# Altium PCB YellowBeanSprout_Pcb.PcbDoc
Units mil, origin at the board's own origin, x right, y up, seen from the top; angles counter-clockwise.
Board outline 1000 x 1700 mil, 2 copper layers (Top Layer, Bottom Layer); 48 components, 63 nets, 230 pads, 56 vias.
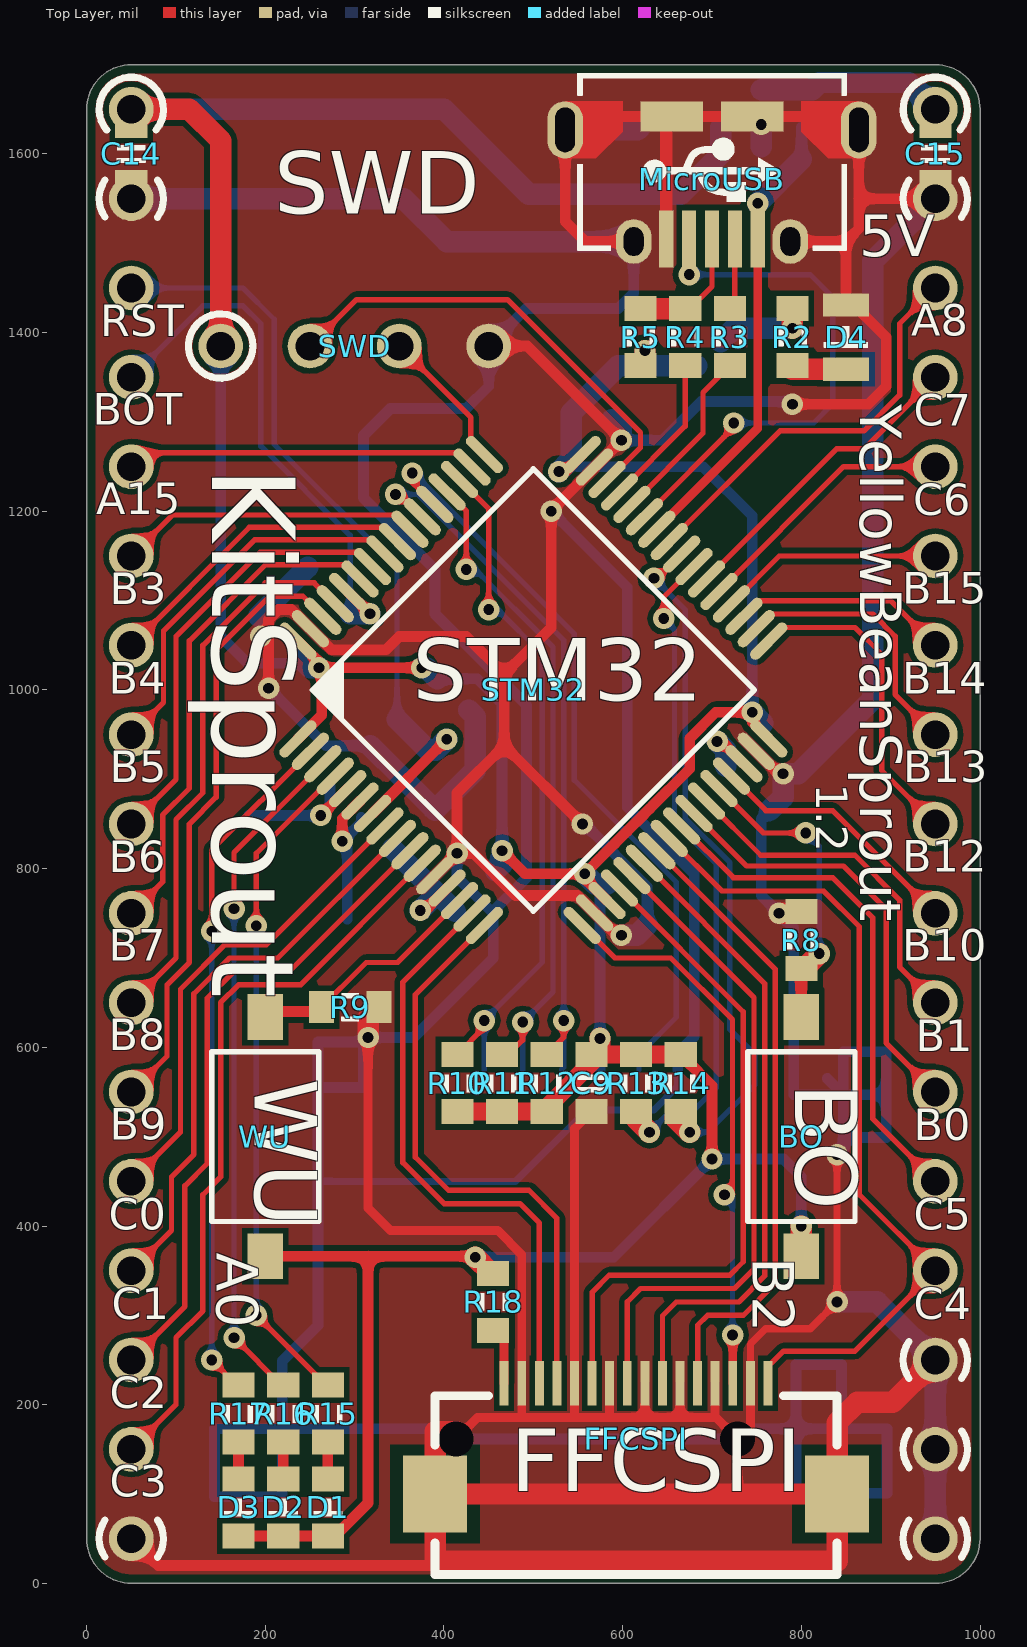
[diagram p0: Top Layer view]
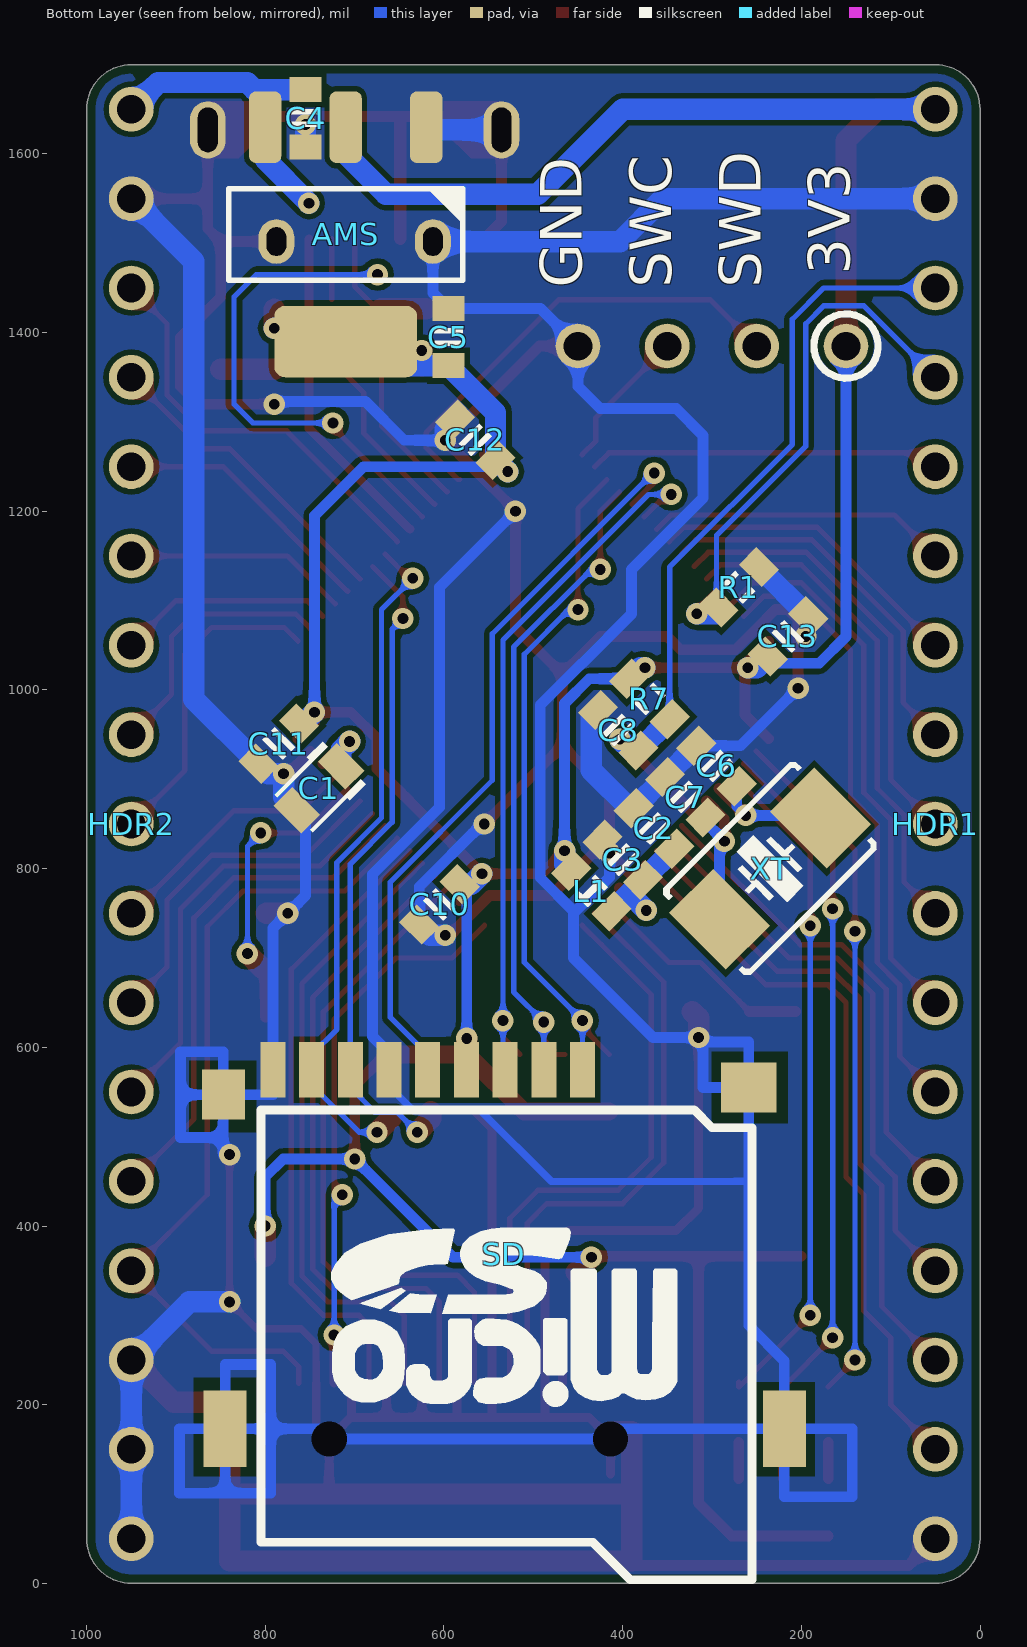
[diagram p1: Bottom Layer view, seen from below]
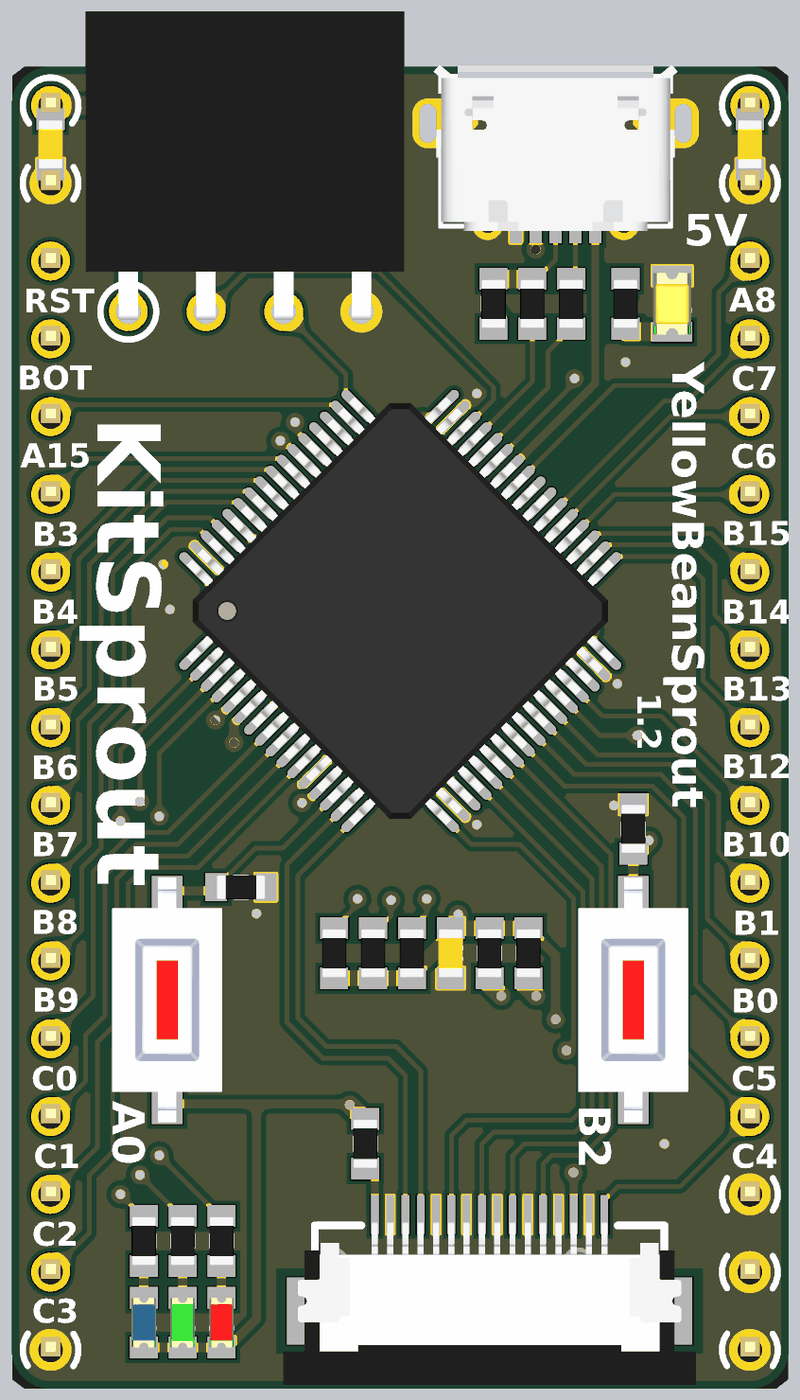
[diagram p2: 3D render of the assembled board from above, using the file's embedded part models]
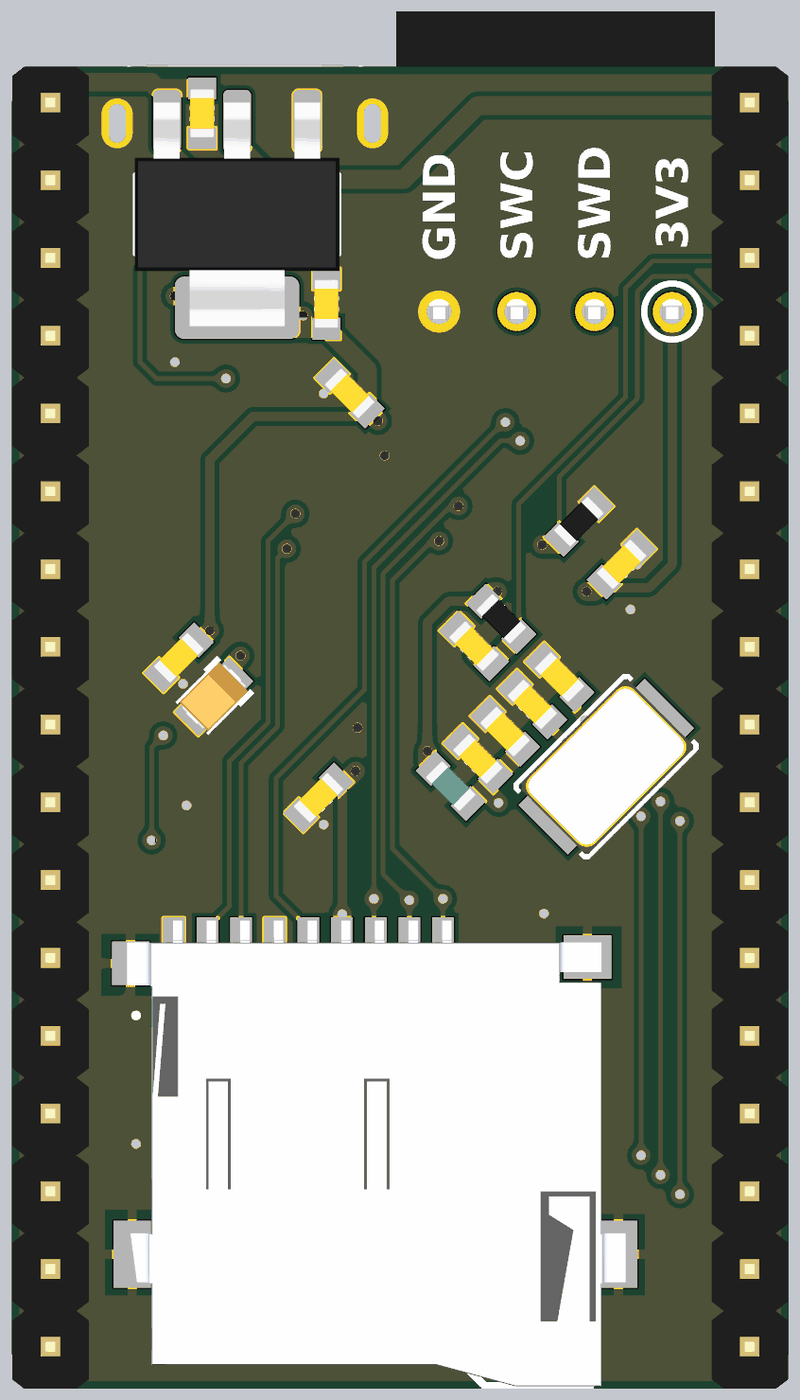
[diagram p3: 3D render of the assembled board from below, using the file's embedded part models]

## Layer stack, top to bottom
Top Solder: solder mask 0.4, Solder Resist, Dk 3.5
Top Layer: signal copper 1.4
Dielectric 1: dielectric 12.6, FR-4, Dk 4.8
Bottom Layer: signal copper 1.4
Bottom Solder: solder mask 0.4, Solder Resist, Dk 3.5

## Board outline
0,50 0,1650 cw(c50,1650) 50,1700 950,1700 cw(c950,1650) 1000,1650 1000,50 cw(c950,50) 950,0 50,0 cw(c50,50)

## Design rules (kind name [scope] priority, off if disabled: settings)
Clearance ClearancePolygon [InPolygon] p1: gap=6
Clearance [All] p2: gap=6
ComponentClearance [All] p1: gap=0 collisioncheckmode=3 verticalgap=0 showdistances=FALSE
Height [All] p1: minheight=0 maxheight=5000 prefheight=500
HoleSize [All] p1: absolutevalues=TRUE maxlimit=200 minlimit=1 maxpercent=80.000 minpercent=20.000
HoleToHoleClearance [All] p1: gap=6 allowstackedmicrovias=TRUE
MinimumSolderMaskSliver [All] p1: minsoldermaskwidth=4
PolygonConnect [All] p1: connectstyle=Direct reliefconductorwidth=10 reliefentries=4 polygonreliefangle="90 Angle" airgapwidth=10
RoutingVias [All] p1: holewidth=12 width=24 viastyle="Through Hole" minholewidth=12 minwidth=20 maxholewidth=28 maxwidth=50
SilkToSilkClearance [All] p1: silktosilkclearance=0
SilkToSolderMaskClearance [IsPad] p1: minsilkscreentomaskgap=2 clearancetoexposedcopper=TRUE
SolderMaskExpansion [All] p1: expansion=2
Width [All] p1: maxlimit=50 minlimit=6 preferedwidth=10
23 further rules are at their usual default settings.

## Components (designator, comment, footprint, x,y, rotation, side; value= is the part's Value field where it differs from the comment)
AMS "AMS1117" SOT223-3 710,1510 r0 bottom
BO "ButtonTACT_3x6x2.5_180" ButtonTACT_3x6x2.5_180 800,500 r270 top locked
C1 "Cap_Tan_0805" CAP_TAN_P0805 740,890 r315 bottom
C2 "Cap_0603" CAP_0603 365,845 r225 bottom
C3 "Cap_0603" CAP_0603 400,810 r225 bottom
C4 "Cap_0603" CAP_0603 755,1640 r270 bottom
C5 "Cap_0603" CAP_0603 595,1395 r90 bottom
C6 "Cap_0603" CAP_0603 295,915 r45 bottom
C7 "Cap_0603" CAP_0603 330,880 r45 bottom
C8 "Cap_0603" CAP_0603 405,955 r225 bottom
C9 "Cap_0603" CAP_0603 565,560 r270 top
C10 "Cap_0603" CAP_0603 605,760 r135 bottom
C11 "Cap_0603" CAP_0603 785,940 r135 bottom
C12 "Cap_0603" CAP_0603 565,1280 r225 bottom
C13 "Cap_0603" CAP_0603 215,1060 r315 bottom
C14 "Cap_0603" CAP_0603 50,1600 r270 top
C15 "Cap_0603" CAP_0603 950,1600 r270 top
D1 "LED_0603" LED_0603_RED 270,85 r90 top
D2 "LED_0603" LED_0603_GREEN 220,85 r90 top
D3 "LED_0603" LED_0603_BLUE 170,85 r90 top
D4 "LED_0805" LED_0805_YELLOW 850,1395 r90 top
FFCSPI "FFC_0.5_16" FFC_0.5_16 615,160 r0 top locked
HDR1 "HDR1x17_2.54" HDR1X17_2.54_180 50,1650 r180 bottom
HDR2 "HDR1x17_2.54T" HDR1X17_2.54_180 950,1650 r180 bottom
L1 "Ind_0603" IND_0603 435,775 r225 bottom
MicroUSB "USB_Micro" USB_Micro-AB 700,1630 r0 top
R1 "Res_0603" RES_0603 270,1115 r315 bottom
R2 "Res_0603" RES_0603 790,1395 r90 top
R3 "Res_0603" RES_0603 720,1395 r90 top
R4 "Res_0603" RES_0603 670,1395 r90 top
R5 "Res_0603" RES_0603 620,1395 r90 top
R7 "Res_0603" RES_0603 370,990 r45 bottom
R8 "Res_0603" RES_0603 800,720 r270 top
R9 "Res_0603" RES_0603 295,645 r180 top
R10 "Res_0603" RES_0603 415,560 r270 top
R11 "Res_0603" RES_0603 465,560 r270 top
R12 "Res_0603" RES_0603 515,560 r270 top
R13 "Res_0603" RES_0603 615,560 r90 top
R14 "Res_0603" RES_0603 665,560 r90 top
R15 "Res_0603" RES_0603 270,190 r270 top
R16 "Res_0603" RES_0603 220,190 r270 top
R17 "Res_0603" RES_0603 170,190 r270 top
R18 "Res_0603" RES_0603 455,315 r90 top
SD "SD_Card_TF" SD_Card_TF 445,575 r0 bottom locked
STM32 "STM32F446R" LQFP_P0.5_64 500,1000 r45 top locked
SWD "HDR1x4_2.54" HDR1X4_2.54_90F 150,1385 r90 top
WU "ButtonTACT_3x6x2.5_180" ButtonTACT_3x6x2.5_180 200,500 r270 top locked
XT "XTAL_5032_2P" XT_5032_2 235,800 r135 bottom

## Footprints (in the part's own frame and the unit in brackets; to place one, negate y for a bottom-side part, rotate by r counter-clockwise, add the part's x,y. Pads: shape width x height; smd on the part's side, far side on the other; paste and mask are expansions set on the pad)
ButtonTACT_3x6x2.5_180 [mm]
  rect 1.3x1 smd: 1(-3.4,0) 2(3.4,0)
  silkscreen extent -2.41,-1.52 2.41,1.52, body extent -4,-1.8 4,1.8, height 2.4
CAP_0603 [mil]
  rect 28x36 smd: 1(-32,0) 2(32,0)
  silkscreen extent -9,-16 10,16, body extent -31,-16 31,16, height 36
CAP_TAN_P0805 [mil]
  rect 30x44 smd: 1(-35,0) 2(35,0)
  silkscreen extent -40,-34 40,34, body extent -40,-27 40,27, height 59
FFC_0.5_16 [mil]
  rect 72x86 smd: 0(-225,-60) 0(225,-60)
  rect 10x50 smd: 1(-147.64,64) 2(-127.95,64) 3(-108.27,64) 4(-88.58,64) 5(-68.9,64) 6(-49.21,64) 7(-29.53,64) 8(-9.84,64) 9(9.84,64) 10(29.53,64) 11(49.21,64) 12(68.9,64) 13(88.58,64) 14(108.27,64) 15(127.95,64) 16(147.64,64)
  silkscreen extent -225,-150 225,50, body extent -266,-155 266,55, height 82
HDR1X4_2.54_90F [mil]
  round 50 hole 32: 1(0,0) 2(0,-100) 3(0,-200) 4(0,-300)
  body extent -10,-355 386,55, height 99
HDR1X17_2.54_180 [mil]
  round 50 hole 32: 1(0,0) 2(0,-100) 3(0,-200) 4(0,-300) 5(0,-400) 6(0,-500) 7(0,-600) 8(0,-700) 9(0,-800) 10(0,-900) 11(0,-1000) 12(0,-1100) 13(0,-1200) 14(0,-1300) 15(0,-1400) 16(0,-1500) 17(0,-1600)
  body extent -49,-1650 49,50, height 323
IND_0603 [mil]
  rect 28x36 smd: 1(-32,0) 2(32,0)
  silkscreen extent -9,-16 9,16, body extent -31,-16 32,16, height 37
LED_0603_BLUE [mil]
  rect 28x36 smd: 1(-32,0) 2(32,0)
  silkscreen extent -10,-16 10,16, body extent -32,-16 32,16, height 24
LED_0603_GREEN [mil]
  rect 28x36 smd: 1(-32,0) 2(32,0)
  silkscreen extent -9,-16 10,16, body extent -32,-16 32,16, height 24
LED_0603_RED [mil]
  rect 28x36 smd: 1(-32,0) 2(32,0)
  silkscreen extent -9,-16 10,16, body extent -32,-16 32,16, height 24
LED_0805_YELLOW [mil]
  rect 26x52 smd: 1(-36,0) 2(36,0)
  silkscreen extent -12,-24 12,24, body extent -40,-25 40,25, height 43
LQFP_P0.5_64 [mil]
  oval 54x12 smd: 1(-225,147.64) 2(-225,127.95) 3(-225,108.27) 4(-225,88.58) 5(-225,68.9) 6(-225,49.21) 7(-225,29.53) 8(-225,9.84) 9(-225,-9.84) 10(-225,-29.53) 11(-225,-49.21) 12(-225,-68.9) 13(-225,-88.58) 14(-225,-108.27) 15(-225,-127.95) 16(-225,-147.64) 33(225,-147.64) 34(225,-127.95) 35(225,-108.27) 36(225,-88.58) 37(225,-68.9) 38(225,-49.21) 39(225,-29.53) 40(225,-9.84) 41(225,9.84) 42(225,29.53) 43(225,49.21) 44(225,68.9) 45(225,88.58) 46(225,108.27) 47(225,127.95) 48(225,147.64)
  oval 12x54 smd: 17(-147.64,-225) 18(-127.95,-225) 19(-108.27,-225) 20(-88.58,-225) 21(-68.9,-225) 22(-49.21,-225) 23(-29.53,-225) 24(-9.84,-225) 25(9.84,-225) 26(29.53,-225) 27(49.21,-225) 28(68.9,-225) 29(88.58,-225) 30(108.27,-225) 31(127.95,-225) 32(147.64,-225) 49(147.64,225) 50(127.95,225) 51(108.27,225) 52(88.58,225) 53(68.9,225) 54(49.21,225) 55(29.53,225) 56(9.84,225) 57(-9.84,225) 58(-29.53,225) 59(-49.21,225) 60(-68.9,225) 61(-88.58,225) 62(-108.27,225) 63(-127.95,225) 64(-147.64,225)
  silkscreen extent -175,-175 175,175, body extent -236,-236 236,236, height 59
RES_0603 [mil]
  rect 28x36 smd: 1(-32,0) 2(32,0)
  silkscreen extent -10,-16 10,16, body extent -31,-16 32,16, height 20
SD_Card_TF [mil]
  rect 28x62 smd: 1(0,0) 2(43.31,0) 3(86.61,0) 4(129.92,0) 5(173.23,0) 6(216.54,0) 7(259.84,0) 8(303.15,0) 9(346.46,0)
  rect 48x86 smd: 6(-226,402) 6(400,402)
  rect 62x56 smd: 6(-186,20)
  round 30 hole 39.37 mask+0: 6(-31.5,413.39) 6(283.46,413.39)
  rect 48x56 smd: 6(402,28)
  silkscreen extent -190,45 360,571, body extent -235,-27 407,572, height 79
SOT223-3 [mil]
  rrect40% 36x80 smd: 1(-90.16,-120) 2(0,-120) 3(90.16,-120)
  rrect30% 160x80 smd: 4(0,120)
  silkscreen extent -131,-51 131,51, body extent -132,-144 132,144, height 71
USB_Micro-AB [mil]
  rect 15.75x64 smd: 1(51.18,-125) 2(25.59,-125) 3(0,-125) 4(-25.59,-125) 5(-51.18,-125)
  oval 40x64 hole 22 slot 50 at 90 deg mask+0: 5(-164.37,-3) 5(164.37,-3)
  oval 40x50 hole 22 slot 32 at 90 deg mask+0: 5(-87.6,-128) 5(87.6,-128)
  rect 70x34 smd mask+0: 5(-45,12) 5(45,12)
  Top Layer region: 100,29 164.37,29 164.37,-35 130,-35 100,-5
  Top Layer region: -164.37,29 -100,29 -100,-5 -130,-35 -164.37,-35
  silkscreen extent -151,-138 151,61, body extent -157,-141 157,72, height 107
XT_5032_2 [mil]
  rect 70x90 smd: 1(-80,0) 2(80,0)
  silkscreen extent -105,-68 105,68, body extent -98,-63 98,63, height 39

## Part data
AMS: "Power"
BO WU: "Button"
C1 C2 C3 C4 C5 C6 C7 C8 C9 C10 C11 C12 C13 C14 C15: "Capacitor"
D1 D2 D3 D4: "LED"
FFCSPI: "FFC"
HDR1 HDR2 SWD: "Header"
L1: "Inductor"
MicroUSB: "USB"
R1 R2 R3 R4 R5 R7 R8 R9 R10 R11 R12 R13 R14 R15 R16 R17 R18: "Resistor"
SD: "SD"
STM32: "MCU"
XT: "Crystal Oscillator"

## Via types
v1: diameter 24, hole 12, Top Layer to Bottom Layer, 56 vias

## Nets (pads, with @x,y where several pads share a name; then routed paths per layer and width w, separated by ;. In a path a pad name is that pad's centre, name@x,y a point inside that pad or via, vN(x,y) a via of type N, cw(c..) or ccw(c..) an arc to the next point about the centre after c; other vN are vias at no path point)
3V3: AMS.2 AMS.4 BO.2 C5.1 C9.1 C10.2 C11.2 C12.2 C13.2 C14.1 D1.1 D2.1 D3.1 HDR1.1 L1.1 R2.2 R5.1 R7.2 R10.2 R11.2 R12.2 R13.2 R14.2 R18.2 SD.4 STM32.1 STM32.19 STM32.32 STM32.48 STM32.64 SWD.1 WU.2 | length 5323
  Top Layer w12: D3.1 D2.1 D1.1 278,53 315,90 315,366.14 ; WU.2 315,366.14 ; STM32.1 263.1,971.9 263.1,1028.1 STM32.64 ; v1(260,1025) v1(375,1025) ; R18.2 435.86,366.14 315,366.14 ; v1(465,820) 490.66,794.34 552.54,794.34 555.04,791.84 STM32.19 ; v1(528.7,1244.49) 535.7,1244.49 STM32.48 ; v1(557.54,794.34) 563.61,800.41 563.61,800.57 574.16,811.11 574.31,811.11 577.53,814.33 577.53,814.49 588.08,825.03 588.23,825.03 591.45,828.25 591.45,828.41 602,838.95 602.15,838.95 605.37,842.17 605.37,842.33 615.91,852.87 616.07,852.87 619.29,856.09 619.29,856.25 629.83,866.79 629.99,866.79 633.21,870.01 633.21,870.17 643.75,880.71 643.91,880.71 647.13,883.93 647.13,884.09 657.67,894.63 657.83,894.63 661.05,897.85 661.05,898 671.59,908.55 671.75,908.55 674.97,911.77 674.97,911.92 ; R14.2 700,557 v1(700,475) ; 675,911.96 675,945.74 704.26,975 v1(745,975) 745,963.79 STM32.32
  Top Layer w20: R10.2 510.17,528 574.17,592 574.62,592 R13.2 R14.2
  Top Layer w24: HDR1.1 115,1650 150,1615 SWD.1 ; v1(435,365) R18.2@452,348 ; C9.1@574.62,592 v1(574.62,610) ; R5.1@625,1363 v1(625,1380) ; v1(790,1405) R2.2@790,1426.21 ; BO.2 v1(800,400)
  Bottom Layer w12: SWD.1 150,1060 180,1030 230.25,1030 C13.2 ; R7.2 437.37,1012.63 465,985 v1(465,820) 457.63,812.63 L1.1 ; v1(435,365) 590,365 v1(700,475) 780,475 800,455 v1(800,400) ; C12.2 549.75,1250 690,1250 745,1195 v1(745,975) ; C10.2@574.62,774.88 574.62,575.3 SD.4
  Bottom Layer w24: HDR1.1 400,1650 495,1555 665,1555 710,1600 AMS.2 ; C13.2 250,1025 v1(260,1025) ; v1(375,1025) 380.25,1025 R7.2 ; L1.1 465,805 v1(465,820) ; v1(528.7,1244.49) C12.2@541.37,1257.16 ; C12.2@542.37,1256.16 C12.2 542.37,1310.37 C5.1 AMS.4@683,1363 ; v1(557.54,794.34) 569.26,782.63 C10.2 ; AMS.4 725,1405 v1(790,1405) ; v1(745,975) C11.2@757.06,962.94
BO: BO.1 R8.2 STM32.28 | length 340.1
  Top Layer w6: STM32.28 757.44,840 v1(805,840)
  Top Layer w12: BO.1 R8.2
  Top Layer w24: R8.2 803,688 v1(820,705)
  Bottom Layer w6: v1(805,840) 820,825 v1(820,705)
BOOT: HDR1.4 R1.2 STM32.60 | length 610
  Top Layer w12: STM32.60 v1(317.18,1085.38)
  Bottom Layer w6: HDR1.4 130,1430 175,1430 195,1410 195,1273.03 295,1173.03 R1.2@295,1085.38
  Bottom Layer w24: R1.2@295,1085.38 v1(317.18,1085.38)
CLK: SD.5 STM32.53 | length 851
  Top Layer w6: v1(364.62,1242.82) 364.62,1232.82 STM32.53
  Bottom Layer w6: v1@366.93,1241.93 546,1062.86 546,899 660,785 660,633.54 618.23,591.77 SD.5
CMD: R12.1 SD.3 STM32.54 | length 824
  Top Layer w6: v1(345.7,1218.9) 350.7,1218.9 STM32.54 ; R12.1 534,611 v1(534,630)
  Bottom Layer w6: v1(345.7,1218.9) 371.1,1218.9 534,1056 v1(534,630) 534,577.39 SD.3
D0: R13.1 SD.7 STM32.39 | length 746.5
  Top Layer w6: v1(646,1080) 646,1104.24 STM32.39
  Top Layer w24: R13.1 615,520 v1(630,505)
  Bottom Layer w6: v1(630,505) 652.5,527.5 677.5,527.5 704.84,554.84 SD.7 704.84,805.16 658,852 658,1068 v1(646,1080)
D1: R14.1 SD.8 STM32.40 | length 769.4
  Top Layer w6: v1@640,1125 640,1126.08 STM32.40
  Top Layer w24: R14.1@659,521 v1(675,505)
  Bottom Layer w6: v1(635,1125) 670,1090 670,856.97 720,806.97 720,620 748.15,591.85 SD.8 748.15,558.15 695,505 v1(675,505)
D2: R10.1 SD.1 STM32.51 | length 779.3
  Top Layer w6: R10.1 445,622 v1(445,630) ; STM32.51 450,1203.11 v1@450,1100
  Bottom Layer w6: SD.1 v1(445,630) 510,695 510,1040 460,1090 v1(450,1090) v1@445,1095
D3: R11.1 SD.2 STM32.52 | length 763.6
  Top Layer w6: STM32.52 425,1200.27 v1(425,1135) ; R11.1 R11.1@477,592 ; R11.1@477,597 488,608 488,628 v1(488.31,628.31)
  Bottom Layer w6: v1(425,1135) 435,1135 522,1048 522,662 v1(488.31,628.31) SD.2
DM: R3.1 STM32.44 | length 200.6
  Top Layer w6: STM32.44 690,1287.44 690,1333 R3.1
DP: R4.1 STM32.45 | length 171.7
  Top Layer w6: STM32.45 670,1295.28 R4.1
GND: AMS.1 C1.2 C2.1 C3.1 C4.2 C5.2 C6.2 C7.2 C8.1 C9.2 C10.1 C11.1 C12.1 C13.1 C14.2 C15.2 D4.2 FFCSPI.0 FFCSPI.2 FFCSPI.5 FFCSPI.7 FFCSPI.9 FFCSPI.11 FFCSPI.13 FFCSPI.15 HDR1.2 HDR1.17 HDR2.2 HDR2.15 HDR2.16 HDR2.17 MicroUSB.5 R1.1 R8.1 R9.1 SD.6 SD.9 STM32.12 STM32.18 STM32.31 STM32.47 STM32.63 SWD.4 | length 14823.1
  Top Layer w8: FFCSPI.15@742.95,248.26 FFCSPI.15 743.27,224.31 743.27,268.27 760,285 810,285 v1(840,315) v1(840,480)
  Top Layer w10: v1(315,611) 315,420 340,395 460,395 487.05,367.95 FFCSPI.2 487.05,187.83 ; FFCSPI.0@413.5,122.43 413.5,161.61 437.68,185.79 624.84,185.79 ; 546.1,186.89 FFCSPI.5 546.1,509.1 C9.2 ; 585.47,186.26 FFCSPI.7 ; FFCSPI.9 624.84,185.79 ; FFCSPI.11 664.21,185.79 ; 702.87,185.79 664.21,185.79 ; FFCSPI.13 703.58,186.5 728.46,161.61 728.46,100 FFCSPI.0@840,100 ; 742.95,176.1 FFCSPI.15 ; R8.1 R8.1@805.53,752 ; 624.84,185.79 664.21,185.79
  Top Layer w12: HDR1.17 80,20 390,20 FFCSPI.0@390,100 ; v1@203.66,1000 203.66,1078.66 215,1090 229.05,1090 STM32.63 274.05,1045 335,1045 350,1060 425,1060 467.5,1017.5 ; STM32.12 v1(414.62,817.18) ; SWD.4 493.2,1385 v1(598.62,1279.58) STM32.47 v1@519.81,1200.76 ; v1@520,1200.57 520,1070 467.5,1017.5 ; MicroUSB.5@535.63,1627 535.63,1524.37 558,1502 MicroUSB.5@612.4,1502 ; MicroUSB.5@550.63,1642 655,1642 745,1642 849.37,1642 MicroUSB.5@864.37,1627 ; v1(555,850) 467.5,937.5 ; v1@596.12,722.92 STM32.18 549.05,770 480,770 432.82,817.18 v1(414.62,817.18) ; STM32.31 774.58,906.38 v1(779.58,906.38) ; MicroUSB.5@787.6,1502 850,1502 ; v1(790,1320) 875,1320 895,1340 895,1395 850,1440 850,1502 ; HDR2.2 864.37,1550 MicroUSB.5@864.37,1627 ; v1(414.62,817.18) 414.62,884.62 467.5,937.5 ; 467.5,937.5 467.5,1017.5 ; 850,1502 864.37,1516.37 MicroUSB.5@864.37,1627
  Top Layer w14: MicroUSB.5@648.82,1505 MicroUSB.5@648.82,1635.82
  Top Layer w24: v1(315,611) 315,633 R9.1@322,640 ; SD.6@413.5,170 390,170 FFCSPI.0@390,100 ; v1(775,750) R8.1@799.04,750 ; HDR2.15 902.5,202.5 862.5,202.5 840,180 FFCSPI.0@840,100 ; FFCSPI.0@390,100 FFCSPI.0@840,100 ; FFCSPI.0@390,100 390,25 840,25 FFCSPI.0@840,100
  Bottom Layer w8: 259,450 480,450 560,530 635,530 661.54,556.54 SD.6@661.54,575
  Bottom Layer w12: v1(203.66,1002) 268.03,937.63 C6.2 ; v1(315,611) 366,611 455,700 455,750 ; v1(414.62,817.18) 414.62,790.38 455,750 ; v1(520,1200) 605,1115 605,868.79 680,793.79 680,612.13 661.54,593.66 SD.6@661.54,575 ; v1(555,850) 557.43,850 627.63,779.8 C10.1 ; v1(598.62,1279.58) 644.58,1279.58 687.9,1322.9 787.1,1322.9 v1(790,1320) ; MicroUSB.5@612.4,1502 612.4,1444.4 C5.2 492,1427 SWD.4 450,1340 425,1315 340,1315 310,1285 310,1215 390,1135 390,1085 444.37,1030.63 444.83,1030.63 492.25,983.2 492.25,789.83 455,752.57 455,750 ; C1.2 755,855.5 755,770 v1(775,750) 791.46,733.54 SD.9 791.46,547 SD.6@847,547 ; SD.6@829,565 SD.6@847,547 ; SD.6@845,195 SD.6@845,173 ; v1@847,480 847,499 ; SD.6@219,173 219,249 259,289 SD.6@259,555 ; SD.6@219,173 219,97 143,97 143,173 SD.6@219,173 ; SD.6@219,173 402.12,173 413.5,161.61 728.46,161.61 739.85,173 SD.6@845,173 ; SD.6@259,555 310,555 310,606 259,606 SD.6@259,555 ; 845,101 SD.6@845,173 ; 845,101 794,101 794,173 794,245 845,245 SD.6@845,173 ; 845,101 896,101 896,173 SD.6@845,173 ; 847,499 SD.6@847,547 ; 847,499 895,499 895,547 ; SD.6@847,547 895,547 ; SD.6@847,547 847,595 895,595 895,547
  Bottom Layer w24: HDR1.2 355,1550 403,1502 MicroUSB.5@612.4,1502 ; C13.1 R1.1 ; C6.2 C7.2 C2.1 390,865.25 435,910.26 435,970.25 C8.1 ; MicroUSB.5@535.63,1627 616.84,1627 AMS.1 ; C12.1 598.62,1291.63 v1(598.62,1279.58) ; v1(598.62,725.42) 615.68,725.42 C10.1 ; C4.2 v1(755,1633) ; C1.2 779.58,880.08 v1(779.58,906.38) 796.63,906.38 C11.1 880,989.75 880,1480 HDR2.2 ; v1(840,315) 885,315 HDR2.15 HDR2.16 HDR2.17
  other v1: 195,1060
ID: MicroUSB.4 STM32.43 | length 560.3
  Top Layer w6: STM32.43 v1@726.8,1296.4
  Bottom Layer w6: v1(674.41,1465) 810,1465 835,1440 835,1320 813.9,1298.9 v1@719.3,1298.9
  other v1: 724.3,1298.9
LED_B: R17.1 STM32.2 | length 772.5
  Top Layer w6: v1(140,250) R17.1@170,220 ; v1@140,252 v1@140,255 ; v1(140,730) 140,820.95 STM32.2
  Bottom Layer w6: v1(140,250) v1(140,730)
LED_G: R16.1 STM32.3 | length 767.4
  Top Layer w6: v1(165,275) R16.1@220,220 ; v1@165,277 v1@165,280 ; v1(165,755) 165,818.11 STM32.3 ; R16.1 R16.1@220,225
  Bottom Layer w6: v1(165,275) v1(165,755)
LED_R: R15.1 STM32.4 | length 756.8
  Top Layer w6: v1(190,300) R15.1@270,220 ; v1(190,736) 190,817.27 STM32.4@277.26,904.54 ; R15.1 R15.1@270,225
  Bottom Layer w6: v1(190,300) v1(190,736)
NetC1_1: C1.1 STM32.30 | length 72
  Top Layer w12: v1(705.66,942.46) 710.66,942.46 STM32.30
  Bottom Layer w24: v1(705.66,942.46) 715.25,932.86 C1.1
NetD1_2: D1.2 R15.2 | length 41
  Top Layer w12: D1.2 R15.2
NetD2_2: D2.2 R16.2 | length 41
  Top Layer w12: D2.2 R16.2
NetD3_2: D3.2 R17.2 | length 41
  Top Layer w12: D3.2 R17.2
NetD4_1: D4.1 R2.1 | length 60
  Top Layer w24: R2.1@790,1359 D4.1
NetFFCSPI_1: FFCSPI.1 R18.1 | length 56.4
  Top Layer w10: FFCSPI.1 R18.1@467.36,280.36
NetMicroUSB_2: MicroUSB.2 R3.2 | length 67.4
  Top Layer w6: R3.2@725.59,1437.59 MicroUSB.2
NetMicroUSB_3: MicroUSB.3 R4.2 R5.2 | length 142
  Top Layer w6: R4.2@672.64,1424.36 700,1451.73 MicroUSB.3
  Top Layer w24: R5.2 R4.2
OSC1: C6.1 STM32.5 XT.2 | length 160.1
  Top Layer w12: v1(262.18,859.62) STM32.5
  Bottom Layer w12: XT.2@181.48,859.62 v1(262.18,859.62) 272.37,869.81 C6.1
OSC2: C7.1 STM32.6 XT.1 | length 178.3
  Top Layer w12: v1(286.1,830.7) 286.18,830.78 286.18,855.78 STM32.6
  Bottom Layer w12: XT.1 291.57,825.23 v1(286.1,830.7) 307.37,851.97 C7.1
PA1: FFCSPI.3 STM32.15 | length 671.5
  Top Layer w6: STM32.15 354,673.05 354,471 400,425 485,425 506.73,403.27 FFCSPI.3
PA2: FFCSPI.4 STM32.16 | length 662.9
  Top Layer w6: STM32.16 424,715.21 424,715.13 368,659.13 368,477 405,440 495,440 526.42,408.58 FFCSPI.4
PA3: FFCSPI.14 STM32.17 | length 618.9
  Top Layer w6: STM32.17 591.21,700 653.86,700 722.89,630.97 v1@722.89,435
  Top Layer w10: FFCSPI.14 v1@723.27,278
  Bottom Layer w6: v1(723,278) v1@723,435
  other v1: 713.89,435
PA4: FFCSPI.6 STM32.20 | length 783.3
  Top Layer w6: FFCSPI.6 565.79,325.79 585,345 720,345 735,360 735,639.73 STM32.20 STM32.20@612.39,762.33
PA5: FFCSPI.8 STM32.21 | length 767.6
  Top Layer w6: FFCSPI.8 605.16,315.16 620,330 725,330 747,352 747,655.56 STM32.21 STM32.21@626.31,776.25
PA6: FFCSPI.10 STM32.22 | length 748.8
  Top Layer w6: STM32.22@640.23,790.17 STM32.22 759,671.4 759,344 730,315 660,315 644.53,299.53 FFCSPI.10
PA7: FFCSPI.12 STM32.23 | length 734.3
  Top Layer w6: STM32.23@655,803.24 STM32.23 771,687.24 771,336 735,300 695,300 683.9,288.9 FFCSPI.12
PA8: HDR2.3 STM32.41 | length 462.3
  Top Layer w6: STM32.41 776.08,1290 870,1290 910,1330 910,1410 HDR2.3
PA15: HDR1.5 STM32.50 | length 394.4
  Top Layer w6: HDR1.5 65.51,1265.51 415.45,1265.51 STM32.50
PB0: HDR2.12 STM32.26 | length 487
  Top Layer w6: STM32.26 738.76,803 847,803 895,755 895,605 HDR2.12
PB1: HDR2.11 STM32.27 | length 393.5
  Top Layer w6: STM32.27 754.6,815 860,815 910,765 910,690 HDR2.11
PB3: HDR1.6 STM32.55 | length 337.4
  Top Layer w6: HDR1.6 95.91,1195.91 345.85,1195.91 STM32.55
PB4: HDR1.7 STM32.56 | length 359.1
  Top Layer w6: HDR1.7 181.99,1181.99 331.93,1181.99 STM32.56
PB5: HDR1.8 STM32.57 | length 427.7
  Top Layer w6: HDR1.8 86,986 86,1065.75 86.5,1066.25 86.5,1066.5 188.07,1168.07 318.01,1168.07 STM32.57
PB6: HDR1.9 STM32.58 | length 496.3
  Top Layer w6: HDR1.9 100,900 100,1060 194.15,1154.15 304.09,1154.15 STM32.58
PB7: HDR1.10 STM32.59 | length 564.9
  Top Layer w6: HDR1.10 85,785 85,860 115,890 115,1055 200.23,1140.23 290.17,1140.23 STM32.59
PB8: HDR1.11 STM32.61 | length 620.1
  Top Layer w6: HDR1.11 100,700 100,855 130,885 130,1050 200,1120 254.72,1120 STM32.61
PB9: HDR1.12 STM32.62 | length 687.8
  Top Layer w6: HDR1.12 90,590 90,670 115,695 115,850 145,880 145,1045 205,1105 241.89,1105 STM32.62
PB10: HDR2.10 STM32.29 | length 291.9
  Top Layer w6: STM32.29 760.28,865 835,865 HDR2.10
PB12: HDR2.9 STM32.33 | length 360.1
  Top Layer w6: STM32.33 778.79,1070 860,1070 890,1040 890,910 HDR2.9
PB13: HDR2.8 STM32.34 | length 301.2
  Top Layer w6: STM32.34 765.95,1085 880,1085 905,1060 905,995 HDR2.8
PB14: HDR2.7 STM32.35 | length 242.3
  Top Layer w6: STM32.35 753.11,1100 900,1100 HDR2.7
PB15: HDR2.6 STM32.36 | length 250.4
  Top Layer w6: STM32.36 775.27,1150 HDR2.6
PC0: HDR1.13 STM32.8 | length 542.5
  Top Layer w6: HDR1.13 105,505 105,665 155,715 201.08,715 STM32.8
PC1: HDR1.14 STM32.9 | length 638.9
  Top Layer w6: HDR1.14 95,395 95,455 120,480 120,660 160,700 213.92,700 STM32.9
PC2: HDR1.15 STM32.10 | length 735.3
  Top Layer w6: HDR1.15 110,310 110,445 135,470 135,655 165,685 226.76,685 STM32.10
PC3: HDR1.16 STM32.11 | length 831.8
  Top Layer w6: HDR1.16 100,200 100,275 130,305 130,435 150,455 150,650 170,670 239.6,670 STM32.11
PC4: FFCSPI.16 HDR2.14 STM32.24 | length 924.5
  Top Layer w6: STM32.24 711.08,775 825,775 865,735 865,435 HDR2.14 860,260 780,260 762.64,242.64 FFCSPI.16
PC5: HDR2.13 STM32.25 | length 580.5
  Top Layer w6: STM32.25 723.92,790 835,790 880,745 880,520 HDR2.13
PC6: HDR2.5 STM32.37 | length 300
  Top Layer w6: STM32.37 847.44,1250 HDR2.5
PC7: HDR2.4 STM32.38 | length 349.6
  Top Layer w6: STM32.38 839.6,1270 870,1270 HDR2.4
RST: C8.2 HDR1.3 R7.1 STM32.7 | length 872.3
  Top Layer w12: STM32.7 v1(403.24,945)
  Bottom Layer w6: HDR1.3 175,1450 210,1415 210,1275 347.37,1137.63 R7.1
  Bottom Layer w24: R7.1 C8.2 390.61,932.37 v1(403.24,945)
SWCLK: STM32.49 SWD.3 | length 161
  Top Layer w6: SWD.3 430,1305 430,1278.79 STM32.49
SWDIO: STM32.46 SWD.2 | length 522.2
  Top Layer w6: SWD.2 302,1437 471.03,1437 620,1288.03 620,1271.25 584.4,1235.66 STM32.46
VBUS: AMS.3 C4.1 C15.1 HDR2.1 MicroUSB.1 STM32.42 | length 687.8
  Top Layer w10: STM32.42 751.18,1292.94 MicroUSB.1
  Bottom Layer w12: AMS.3@800.16,1593.98 AMS.3
  Bottom Layer w24: v1(751.18,1545) AMS.3@800.16,1593.98 ; C4.1 812.16,1672 820.16,1680 920,1680 HDR2.1
VDDA: C2.2 C3.2 L1.2 STM32.13 | length 157.8
  Top Layer w12: v1@378.54,753.26 STM32.13
  Bottom Layer w24: C2.2 C3.2 L1.2 ; v1(373.54,753.26) 390.14,769.86
WU: R9.2 STM32.14 WU.1 | length 262.8
  Top Layer w6: R9.2@258,640 313,695 348.11,695 STM32.14
  Top Layer w12: WU.1@206.14,640 R9.2@258,640

## Polygon pours and split planes (outlines as drawn)
GND on Top Layer "Top Layer-No Net" (solid, remove dead copper, pour order 2): 50,1690 950,1690 cw(c950,1650) 990,1650 990,50 cw(c950,50) 950,10 50,10 cw(c50,50) 10,50 10,1650 cw(c50,1650) 50,1690
GND on Bottom Layer "Bottom Layer-GND" (solid, remove dead copper, pour order 4): 50,1690 950,1690 cw(c950,1650) 990,1650 990,50 cw(c950,50) 950,10 50,10 cw(c50,50) 10,50 10,1650 cw(c50,1650) 50,1690

## Other copper
Top Layer:
  pour cut-out: 440,45 340,45 340,155 440,155
  pour cut-out: 890,45 790,45 790,155 890,155
Bottom Layer:
  pour cut-out: 185,225 185,120 255,120 255,225
  pour cut-out: 810,230 810,120 880,120 880,230
  pour cut-out: 215,595 215,515 300,515 300,595
  pour cut-out: 810,585 810,505 885,505 885,585

## Silkscreen, mask and mechanical layers (free items; w line width, h text height)
Top Overlay:
  circle w8: c150,1385 r36
  lines w8: 20.51,29.36 cw(c50,50) 20.64,70.83 ; 20.51,1529.36 cw(c50,1550) 20.64,1570.83 ; 22.42,1626.86 cw(c50,1650) 77.58,1626.86 ; 79.36,29.17 ccw(c50,50) 79.49,70.64 ; 79.36,1529.17 ccw(c50,1550) 79.49,1570.64 ; 920.51,29.36 cw(c950,50) 920.64,70.83 ; 920.51,129.36 cw(c950,150) 920.64,170.83 ; 920.51,229.36 cw(c950,250) 920.64,270.83 ; 920.51,1529.36 cw(c950,1550) 920.64,1570.83 ; 922.42,1626.86 cw(c950,1650) 977.58,1626.86 ; 979.36,29.17 ccw(c950,50) 979.49,70.64 ; 979.36,129.17 ccw(c950,150) 979.49,170.64 ; 979.36,229.17 ccw(c950,250) 979.49,270.64 ; 979.36,1529.17 ccw(c950,1550) 979.49,1570.64
  text "SWD" at 210,1510 h120
  text "5V" at 865,1470 h80
  text "A8" at 923,1385 h60
  text "RST" at 15,1384 h60
  text "YellowBeanSprout" at 850,1320 h80 r270
  text "BOT" at 7,1285 h60
  text "C7" at 926,1284 h60
  text "KitSprout" at 110,1250 h160 r270
  text "A15" at 11,1185 h60
  text "C6" at 925,1184 h60
  text "B15" at 913,1085 h60
  text "B3" at 26,1084 h60
  text "B4" at 25,984 h60
  text "B14" at 913,984 h60
  text "STM32" at 365,965 h120
  text "1.2" at 805,895 h60 r270
  text "B5" at 26,885 h60
  text "B13" at 914,885 h60
  text "B12" at 913,785 h60
  text "B6" at 25,784 h60
  text "B7" at 25,685 h60
  text "B10" at 913,685 h60
  text "B8" at 25,585 h60
  text "B1" at 928,584 h60
  text "WU" at 165,565 h120 r270
  text "BO" at 770,560 h120 r270
  text "B9" at 26,485 h60
  text "B0" at 926,484 h60
  text "C0" at 25,384 h60
  text "C5" at 926,384 h60
  text "A0" at 130,370 h80 r270
  text "B2" at 730,365 h80 r270
  text "C1" at 28,284 h60
  text "C4" at 926,284 h60
  text "C2" at 26,184 h60
  text "C3" at 26,85 h60
  text "FFCSPI" at 475,80 h120
Bottom Overlay:
  circle w8: c150,1385 r36
  text "3V3" at 130,1465 h80 r270
  text "SWD" at 230,1450 h80 r270
  text "SWC" at 330,1450 h80 r270
  text "GND" at 430,1450 h80 r270
Mechanical 1:
  the board outline again, w2